# Altium PCB PCB-SM-multi.PcbDoc (part 1 of 2)
Units mil, origin at the board's own origin, x right, y up, seen from the top; angles counter-clockwise.
Board outline 4897 x 3097 mil, 5 copper layers (L1, L1-2, L2, L3, L4); 330 components, 255 nets, 1010 pads, 216 vias.
Unrouted connection lines stored in the file: 207.
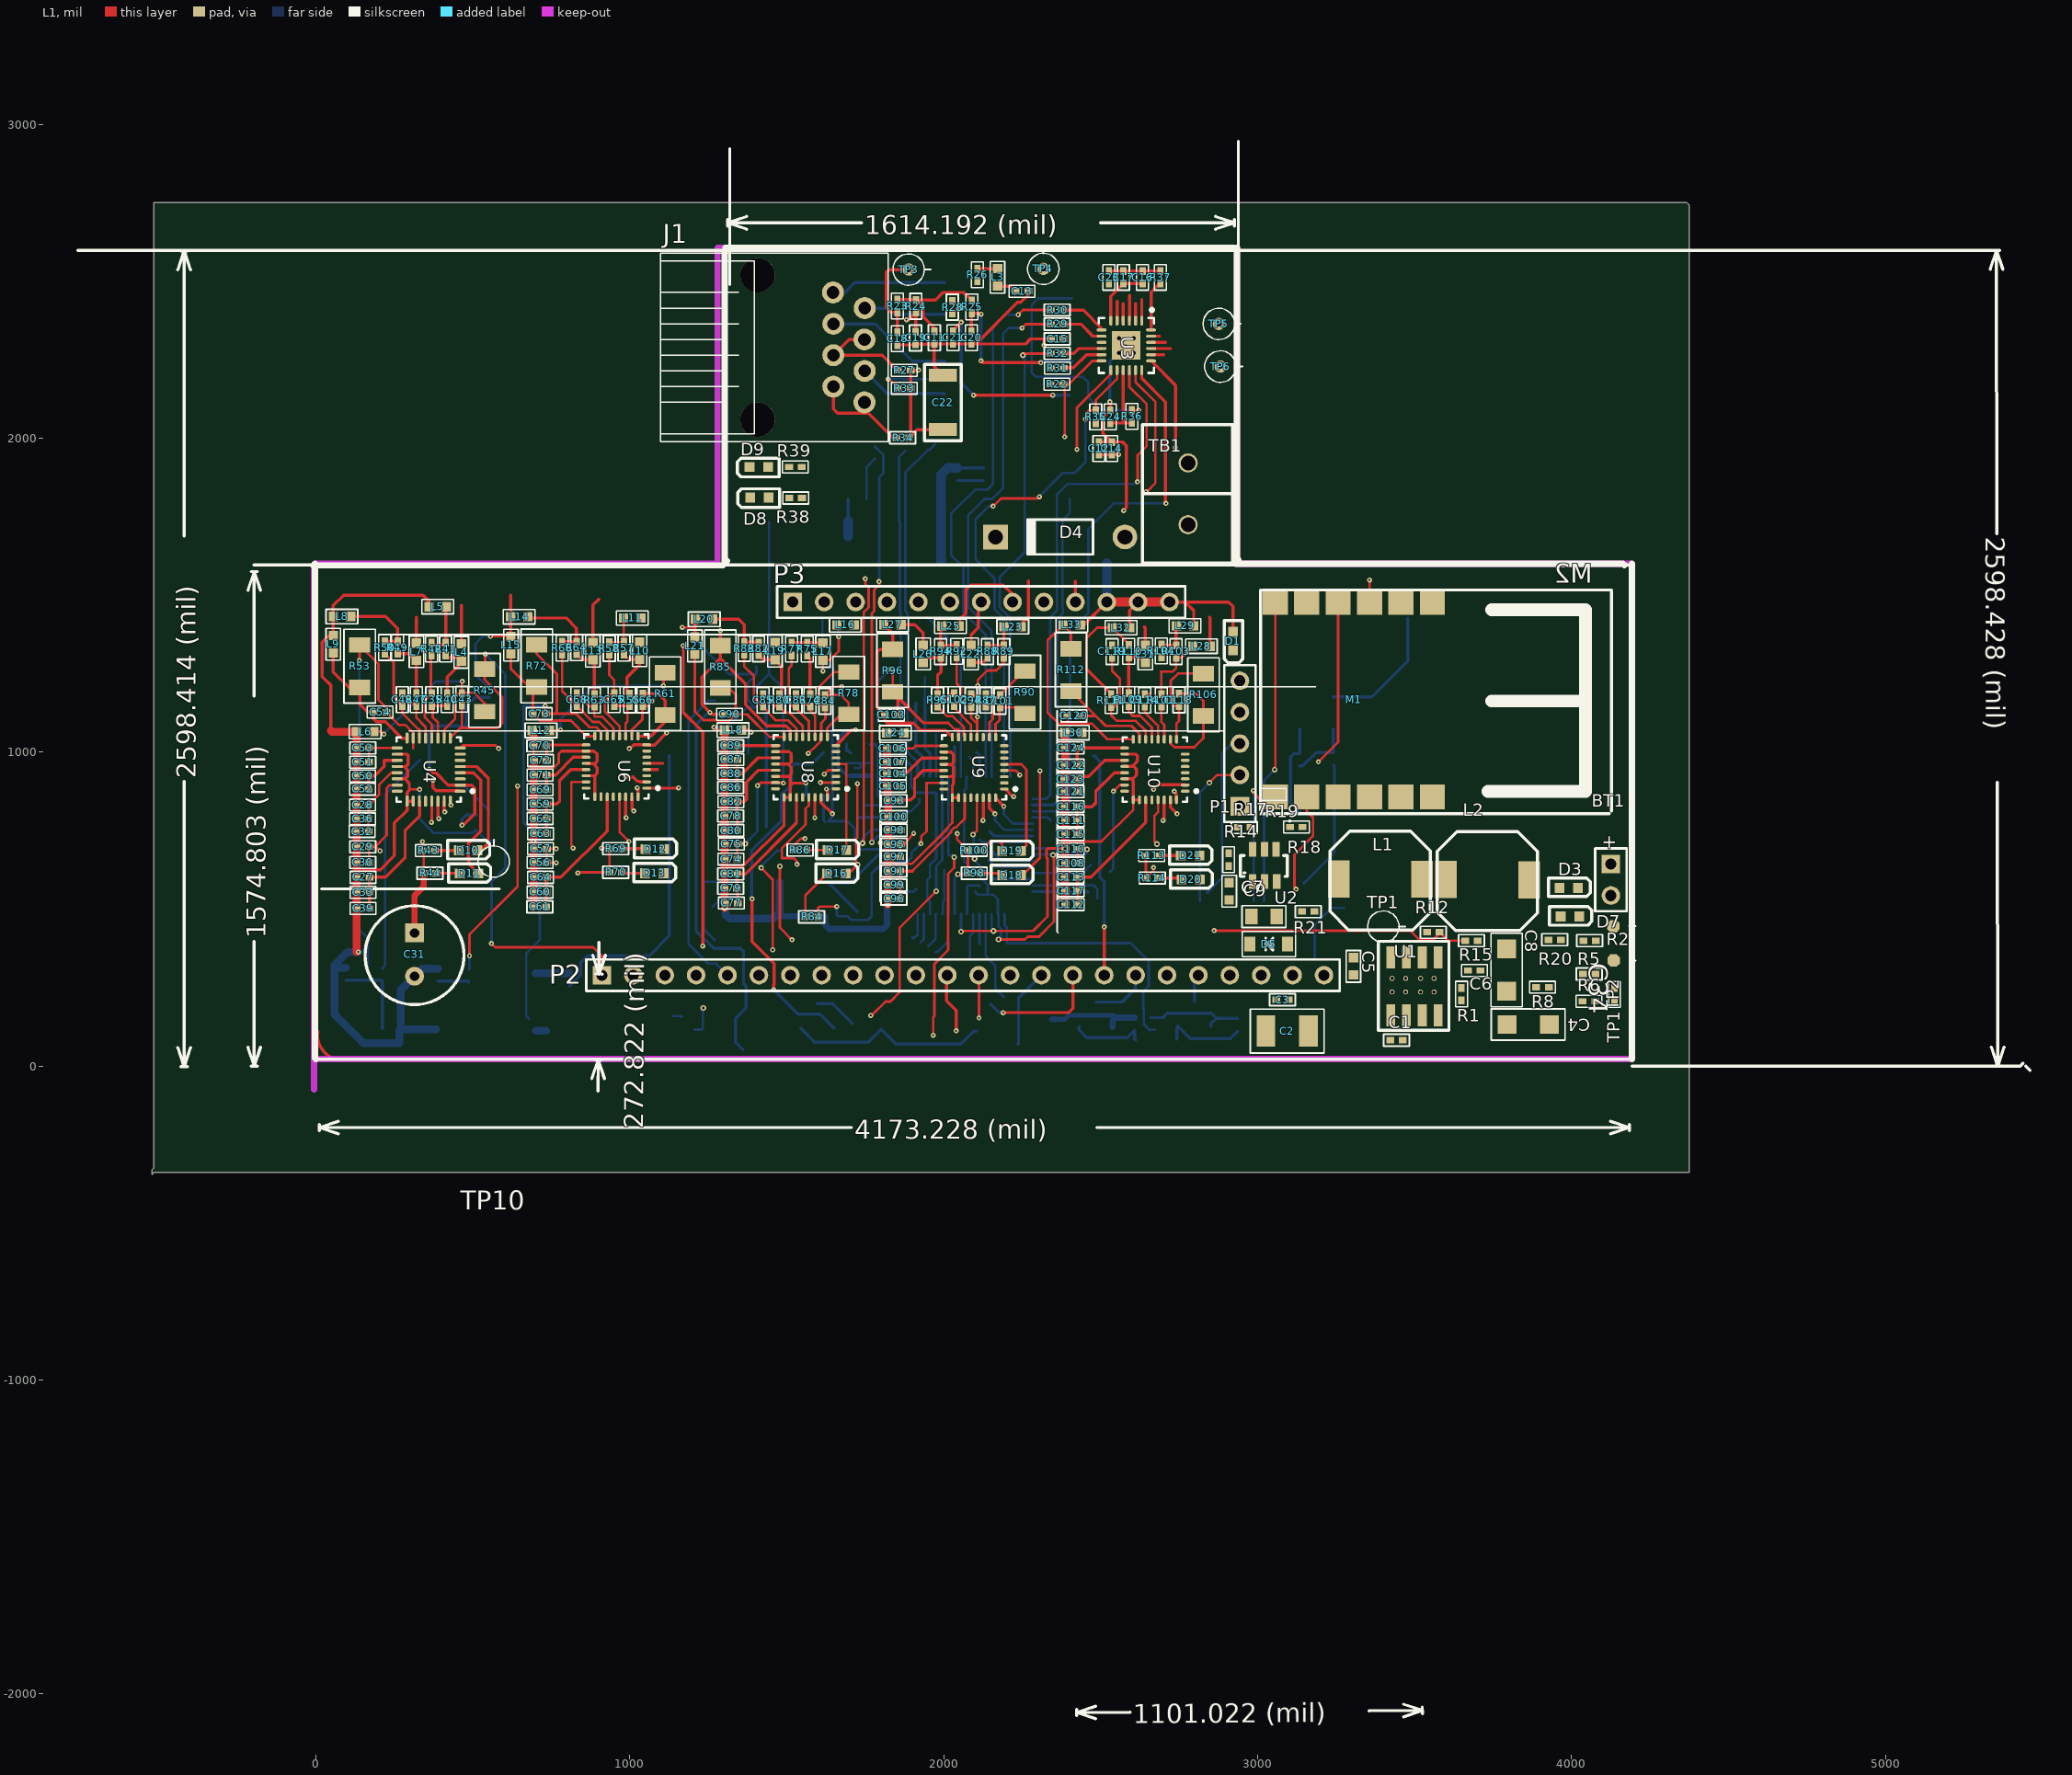
[diagram p0: L1 view]
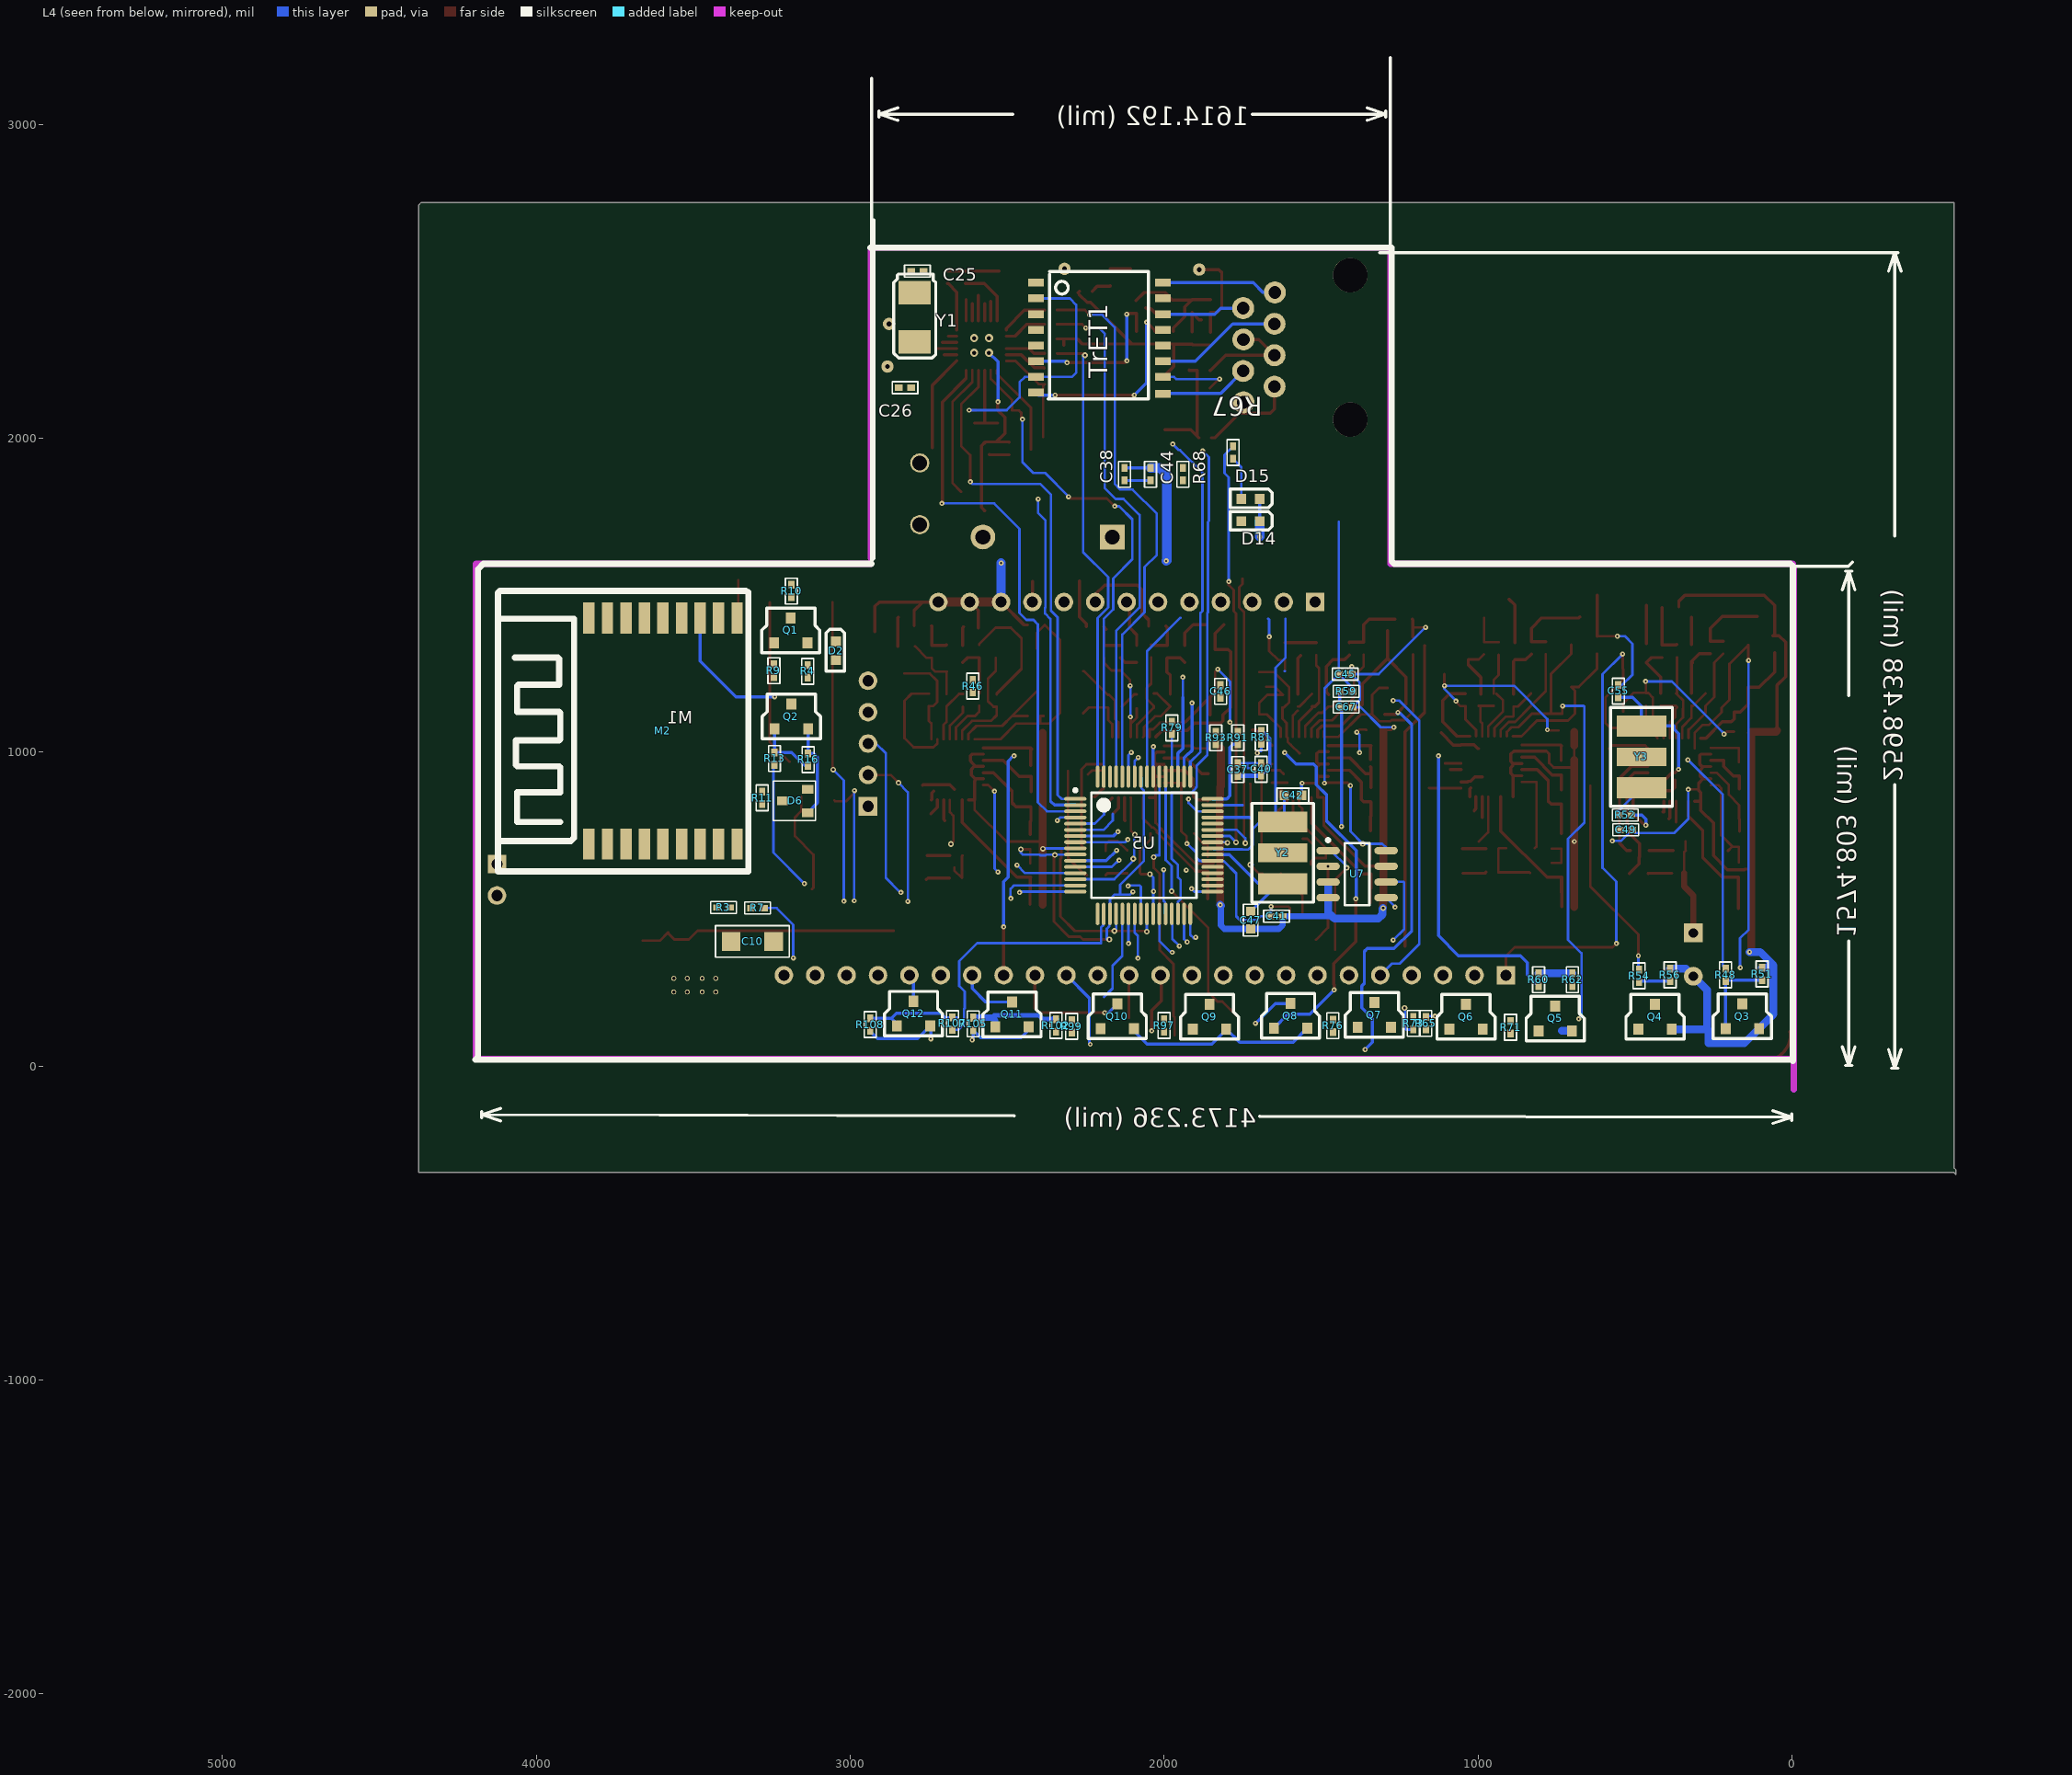
[diagram p1: L4 view, seen from below]
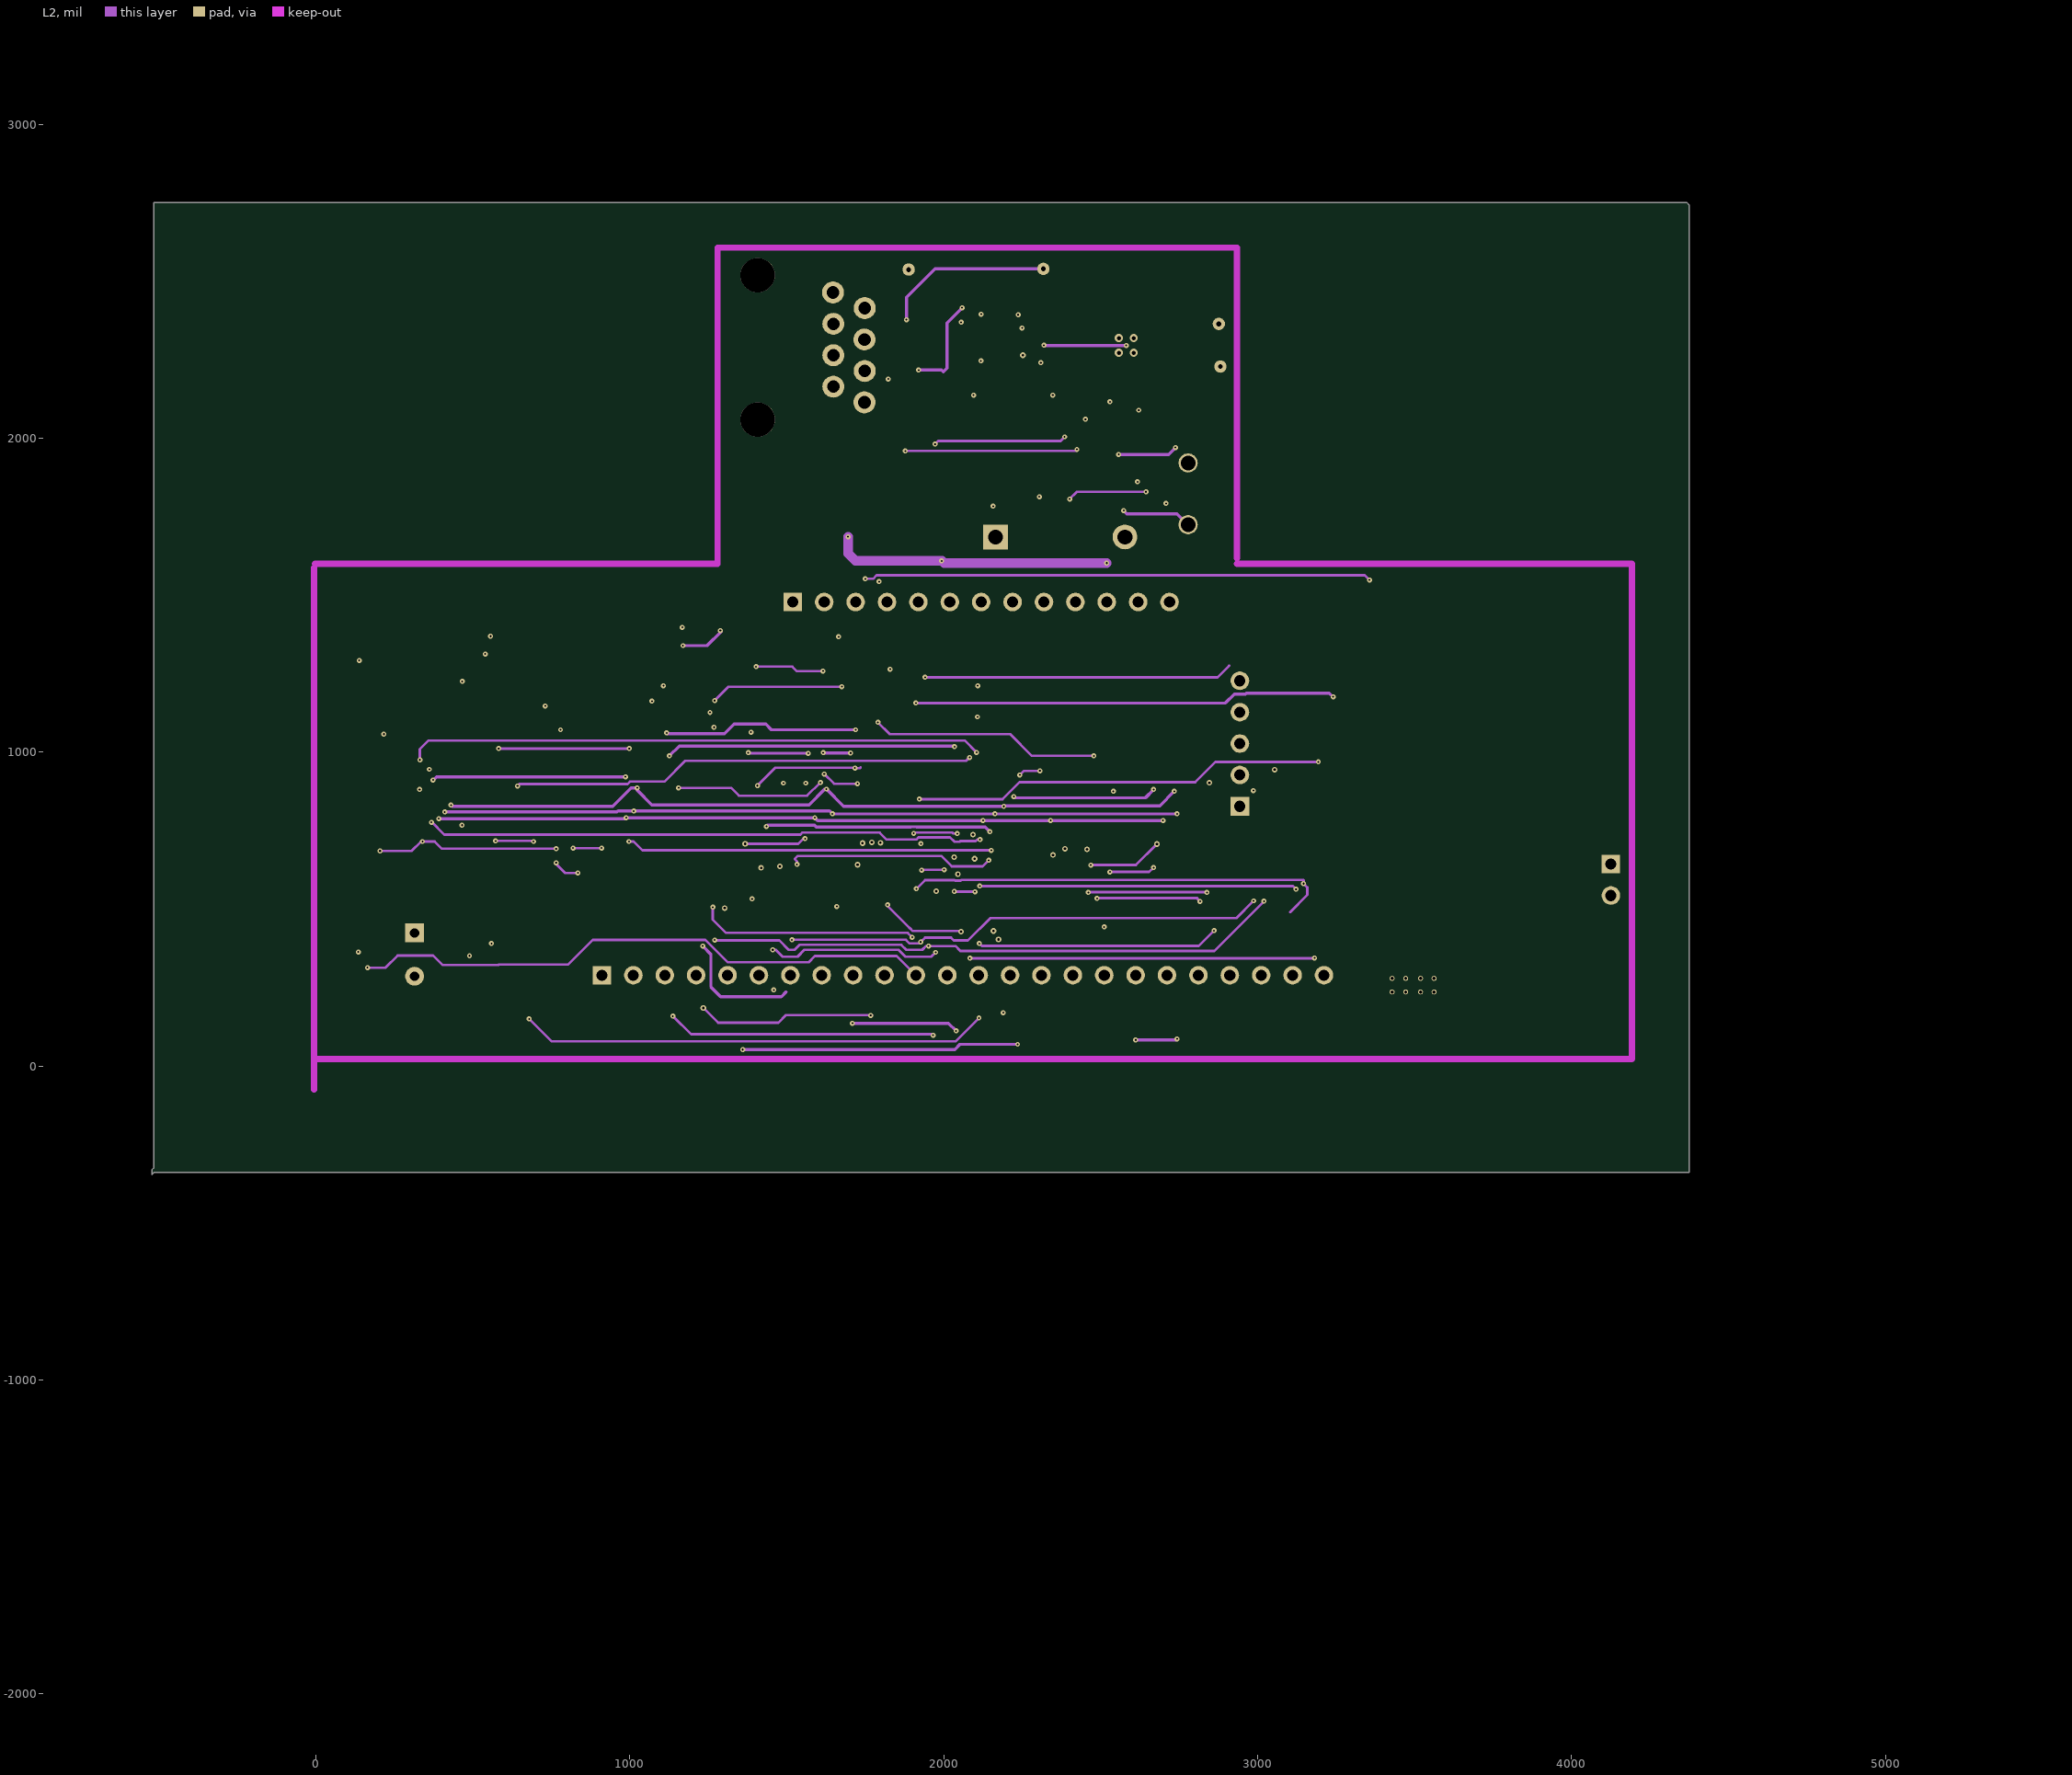
[diagram p2: L2]

## Layer stack, top to bottom
L1: signal copper 1.4
Dielectric: core 12.6, FR-4, Dk 4.8
L1-2: signal copper 1.4
Dielectric: prepreg 12.6, FR-4, Dk 4.8
L2: signal copper 1.4
Dielectric: core 12.6, FR-4, Dk 4.8
L3: signal copper 1.4
Dielectric: prepreg 12.6, FR-4, Dk 4.8
L4: signal copper 1.4

## Board outline
-523,-346 -516,-339 4374,-339 4374,2743 4366,2751 -516,2751 -516,-324 -523,-331

## Design rules (kind name [scope] priority, off if disabled: settings)
Clearance [All] p1: gap=7.8
PolygonConnect [All] p1: connectstyle=Relief reliefconductorwidth=10 reliefentries=4 polygonreliefangle="90 Angle" airgapwidth=10
RoomDefinition Sheet3-multi [InComponentClass('Sheet3-multi')] p1: confinementstyle=ConfineIn formatcopy=TRUE lockcomponents=FALSE outline -5510,-6728 -3510,-6728 -3510,-5728 -5510,-5728
RoutingTopology [All] p1: topology=Daisy_MidDriven
RoutingVias MicroVia [((StartLayer='L1')and (StopLayer='L2'))or  ((StartLayer='L3')and (StopLayer='L4')) or ((StartLayer='L1')and (StopLayer='L3')) or ((StartLayer='L1')and (StopLayer='L1-2')) or ((StartLayer='L4')and (StopLayer='L3')) or ((StartLayer='L1-2')and (StopLayer='L4')) or ((StartLayer='L2')and (StopLayer='L4')) or ((StartLayer='L1-2')and (StopLayer='L2'))] p1: holewidth=6 width=16 viastyle="Through Hole" minholewidth=6 minwidth=16 maxholewidth=6 maxwidth=16
RoutingVias ThruVia [((StartLayer='L1')and (StopLayer='L4'))] p2: holewidth=6 width=6 viastyle="Through Hole" minholewidth=6 minwidth=16 maxholewidth=6 maxwidth=16
RoutingVias BuriedVia [((StartLayer='L2')and (StopLayer='L3'))  or ((StartLayer='L1-2')and (StopLayer='L3'))] p3: holewidth=7.87 width=17.72 viastyle="Through Hole" minholewidth=7.87 minwidth=17.72 maxholewidth=7.87 maxwidth=17.72
SMDNeckDown [All] p1: percent=40.000
SolderMaskExpansion [All] p1: expansion=4
Width [All] p1: maxlimit=50 minlimit=3.94 preferedwidth=10
27 further rules are at their usual default settings.

## Classes and differential pairs
component class Sheet3-multi: C7 C10 C11 C12 C17 C18 C21 C22 C23 C24 C25 C26 C38 C40 C44 C47 C51 C54 C59 C66 C67 C71 C83 C95 C98 C103 C104 C108 C114 C115 C117 C119 C121 D5 D6 D15 D19 L3 L4 L8 L9 L17 L23 L25 L27 L28 L29 L31 M1 Q2 Q6 Q12 R4 R6 R7 R12 R20 R25 R46 R50 R54 R59 R60 R67 R68 R71 R73 R79 R88 R91 R92 R93 R97 R102 R103 R104 R105 R107 R108 R111 U7 U8
component class Sheet2-multi: C7 C9 C10 C11 C17 C21 C24 C27 C28 C29 C32 C35 C38 C40 C43 C48 C49 C50 C51 C52 C53 C54 C55 C56 C57 C59 C60 C61 C62 C63 C64 C69 C70 C71 C72 C73 C74 C75 C77 C78 C79 C80 C81 C82 C83 C84 C86 C87 C88 C89 C90 C91 C95 C98 C108 C114 C115 C116 C117 C118 C121 D6 D11 D12 D13 D15 D16 D18 D20 L2 L6 L8 L12 L13 L14 L15 L17 L18 L19 L20 L21 L23 L25 L28 L30 L31 L32 M2 P1 P2 P3 Q1 Q5 Q6 Q7 Q8 R19 R20 R23 R25 R27 R32 R33 R34 R35 R37 R40 R41 R42 R43 R44 R45 R47 R51 R52 R53 R54 R55 R56 R57 R58 R59 R61 R63 R64 R67 R69 R73 R74 R75 R77 R78 R79 R80 R82 R84 R85 R88 R89 R97 R100 R104 R113 TP10 U4 U7 U8 Y1 Y2
component class Sheet1-multi: BT1 C1 C2 C3 C4 C6 C8 C10 C11 C12 C14 C15 C17 C18 C28 C33 C38 C47 C51 C90 C102 C103 C104 C106 C119 C121 D1 D3 D4 D5 D6 D7 D11 D15 D16 J1 L2 L4 L21 Q1 R2 R4 R5 R6 R7 R8 R9 R11 R12 R13 R15 R17 R18 R19 R20 R21 R23 R25 R26 R27 R28 R29 R31 R34 R46 R47 R51 R59 R63 R64 R66 R73 R77 R82 R84 R92 R96 R98 R106 TB1 TP2 TP3 TP4 TP5 TP6 TrET1 U1 U2 U4 Y1

## Components (designator, comment, footprint, x,y, rotation, side; value= is the part's Value field where it differs from the comment)
BT1 "9.0V" BAT-2 4125,593 r270 top
C1 "10nF/6.3V" 0402C-GENERIC 3422,82 r0 top
C2 "47uF/6.3V" 1210C-GENERIC 3026,111 r0 top
C3 ".1uF" 0402C-GENERIC 3059,211 r0 top
C4 "10uF/50V" 1206C-GENERIC 3794,132 r0 top
C5 ".1uF/50V" 0603C-GENERIC 3305,345 r270 top
C6 "2.2nF/6.3V" 0402C-GENERIC 3670,304 r0 top
C7 "1uF/6.3V" 0603C-GENERIC 2909,584 r270 top
C8 "22uF" 1206C-GENERIC 3793,238 r90 top
C9 "100nF/6.3V" 0805C-GENERIC 2990,476 r0 top
C10 "22uF/6.3V" 1206C-GENERIC 3244,397 r0 bottom
C11 "100nF/35V" 0402C-GENERIC 1970,2340 r270 top
C12 "10uF/6.3V" 0402C-TBD 2494,1947 r90 top
C13 "100nF/35V" 0402C-GENERIC 2229,2468 r0 top
C14 "100nF/35V" 0402C-GENERIC 2535,1947 r90 top
C15 "10uF/6.3V" 0402C-TBD 2381,2316 r180 top
C16 "1uF/16V" 0402C-GENERIC 2633,2492 r90 top
C17 "470pF" 0402C-GENERIC 2572,2492 r90 top
C18 "10pF/50V" 0402C-GENERIC 1852,2337 r270 top
C19 "10pF/50V" 0402C-GENERIC 1910,2339 r270 top
C20 "10pF/50V" 0402C-GENERIC 2088,2340 r270 top
C21 "10pF/50V" 0402C-GENERIC 2029,2340 r270 top
C22 "1000pF/3kV" 1808 1997,2027 r90 top
C23 "22nF/16V" 0402C-GENERIC 2526,2492 r90 top
C24 "100nF/35V" 0402C-GENERIC 2530,2048 r90 top
C25 "18pF/6.3V" 0402C-TBD 2806,2532 r180 bottom
C26 "18pF/6.3V" 0402C-TBD 2805,2161 r0 bottom
C27 "100nF/10V" 0402C-GENERIC 130,601 r0 top
C28 "1uF/6.3V" 0402C-GENERIC 168,831 r180 top
C29 "150pF/10V" 0402C-GENERIC 169,698 r180 top
C30 "100nF" 0402C-GENERIC 169,648 r180 top
C31 "Comment" 470uF/6.3v 314,423.8 r270 top
C32 "150pF/10V" 0402C-GENERIC 167,747 r180 top
C33 "150pF/10V" 0402C-GENERIC 170,553 r180 top
C34 "100n" 0402C-TBD 4136,248 r270 top
C35 "10n/16V" 0402C-GENERIC 369,1187 r270 top
C36 "100nF/10V" 0402C-GENERIC 128,787 r0 top
C37 "100n" 0402C-TBD 1765,964 r270 bottom
C38 "100nF/6.3V" 0402C-TBD 2126,1865 r90 bottom
C39 "4.7uF/16V" 0402C-GENERIC 170,502 r180 top
C40 "100n" 0402C-TBD 1691,965 r270 bottom
C41 "100n" 0402C-TBD 1662,477 r180 bottom
C42 "27pF/6.3V" 0603C-TBD 1617,862 r180 bottom
C43 "10n/16V" 0402C-GENERIC 465,1188 r270 top
C44 "100n" 0402C-TBD 2043,1865 r90 bottom
C45 "100n" 0402C-TBD 1443,1248 r180 bottom
C46 "100nF/6.3V" 0402C-TBD 1820,1213 r270 bottom
C47 "27pF/6.3V" 0603C-TBD 1724,492 r270 bottom
C48 "10n/16V" 0402C-GENERIC 275,1147 r90 top
C49 "10pF" 0402C-TBD 549,752 r180 bottom
C50 "150pF" 0402C-GENERIC 168,924 r180 top
C51 "150pF" 0402C-GENERIC 169,968 r180 top
C52 "100nF" 0402C-GENERIC 168,882 r180 top
C53 "100nF" 0402C-GENERIC 169,1013 r180 top
C54 "10n/16V" 0402C-GENERIC 184,1127 r0 top
C55 "10pF" 0402C-TBD 553,1174 r90 bottom
C56 "150pF/10V" 0402C-GENERIC 734,648 r180 top
C57 "100nF" 0402C-GENERIC 695,692 r0 top
C59 "1uF/6.3V" 0402C-GENERIC 734,834 r180 top
C60 "100nF" 0402C-GENERIC 734,554 r180 top
C61 "150pF/10V" 0402C-GENERIC 733,507 r180 top
C62 "150pF/10V" 0402C-GENERIC 734,788 r180 top
C63 "100nF" 0402C-GENERIC 735,740 r180 top
C64 "1uF/6.3V" 0402C-GENERIC 735,601 r180 top
C65 "10n/16V" 0402C-GENERIC 950,1187 r270 top
C66 "10n/16V" 0402C-GENERIC 1041,1146 r90 top
C67 ".1uF" 0402R-GENERIC 1400,1143 r0 bottom
C68 "10n/16V" 0402C-GENERIC 831,1147 r90 top
C69 "150pF" 0402C-GENERIC 734,880 r180 top
C70 "150pF" 0402C-GENERIC 733,1020 r180 top
C71 "100nF" 0402C-GENERIC 734,927 r180 top
C72 "100nF" 0402C-GENERIC 695,973 r0 top
C73 "10n/16V" 0402C-GENERIC 691,1122 r0 top
C74 "150pF/10V" 0402C-GENERIC 1342,659 r180 top
C75 "100nF" 0402C-GENERIC 1343,707 r180 top
C77 "100nF" 0402C-GENERIC 1343,519 r180 top
C78 "1uF/6.3V" 0402C-GENERIC 1341,796 r180 top
C79 "150pF/10V" 0402C-GENERIC 1341,566 r180 top
C80 "150pF/10V" 0402C-GENERIC 1342,750 r180 top
C81 "1uF/6.3V" 0402C-GENERIC 1341,612 r180 top
C82 "100nF" 0402C-GENERIC 1342,842 r180 top
C83 "10n/16V" 0402C-GENERIC 1529,1145 r90 top
C84 "10n/16V" 0402C-GENERIC 1621.19,1142 r90 top
C85 "10n/16V" 0402C-GENERIC 1424,1145 r90 top
C86 "150pF" 0402C-GENERIC 1341,887 r180 top
C87 "150pF" 0402C-GENERIC 1342,976 r180 top
C88 "100nF" 0402C-GENERIC 1341,931 r180 top
C89 "100nF" 0402C-GENERIC 1341,1020 r180 top
C90 "10n/16V" 0402C-GENERIC 1337,1120 r180 top
C91 "100nF" 0402C-GENERIC 1861,621 r180 top
C93 "1uF/6.3V" 0402C-GENERIC 1861,845 r180 top
C94 "10n/16V" 0402C-GENERIC 2087,1144 r90 top
C95 "100nF" 0402C-GENERIC 1862,706 r180 top
C96 "150pF/10V" 0402C-GENERIC 1861,532 r180 top
C97 "150pF/10V" 0402C-GENERIC 1861,666 r180 top
C98 "150pF/10V" 0402C-GENERIC 1822,751 r0 top
C99 "1uF/6.3V" 0402C-GENERIC 1861,576 r180 top
C100 "100nF" 0402C-GENERIC 1862,794 r180 top
C101 "10n/16V" 0402C-GENERIC 2179,1182 r270 top
C102 "10n/16V" 0402C-GENERIC 2033,1187 r270 top
C103 "10n/16V" 0402C-GENERIC 1813,1118 r0 top
C104 "150pF" 0402C-GENERIC 1859,931 r180 top
C105 "100nF" 0402C-GENERIC 1859,891 r180 top
C106 "150pF" 0402C-GENERIC 1858,1012 r180 top
C107 "100nF" 0402C-GENERIC 1859,968 r180 top
C108 "150pF/10V" 0402C-GENERIC 2426,646 r180 top
C110 "100nF" 0402C-GENERIC 2426,691 r180 top
C111 "1uF/6.3V" 0402C-GENERIC 2426,781 r180 top
C112 "100nF" 0402C-GENERIC 2426,514 r180 top
C113 "150pF/10V" 0402C-GENERIC 2425,601 r180 top
C114 "10n/16V" 0402C-GENERIC 2640,1145 r90 top
C115 "150pF/10V" 0402C-GENERIC 2426,737 r180 top
C116 "100nF" 0402C-GENERIC 2425,826 r180 top
C117 "1uF/6.3V" 0402C-GENERIC 2426,558 r180 top
C118 "10n/16V" 0402C-GENERIC 2749,1186 r270 top
C119 "10n/16V" 0402C-GENERIC 2536,1300 r90 top
C120 "10n/16V" 0402C-GENERIC 2394,1115 r0 top
C121 "150pF" 0402C-GENERIC 2425,874 r180 top
C122 "150pF" 0402C-GENERIC 2425,958 r180 top
C123 "100nF" 0402C-GENERIC 2424,914 r180 top
C124 "100nF" 0402C-GENERIC 2425.06,1013.06 r180 top
D1 "PDS 560" LED-SM 2921,1383.06 r270 top
D2 "2V/20mA" LED-SM 3045,1292.94 r90 bottom
D3 "2V/20mA" LED-SM 3961,567 r0 top
D4 "1N5400/3A" DO-41 2371,1685 r180 top
D5 "1N4148" SOD-123 2975,388 r0 top
D6 "9.1V" SOT23-DIODE 3135,807 r0 bottom
D7 "2V/20mA" LED-SM 3965,476 r0 top
D8 "2V/20mA" LED-SM 1442,1811 r180 top
D9 "2V/20mA" LED-SM 1440.06,1908 r180 top
D10 "LED2" LED-SM 455,687 r0 top
D11 "LED2" LED-SM 458,613 r0 top
D12 "LED2" LED-SM 1050,691 r0 top (schematic designator D13)
D13 "LED2" LED-SM 1048,614 r0 top
D14 "LED2" LED-SM 1754.06,1735 r180 bottom
D15 "LED2" LED-SM 1754.06,1806 r180 bottom
D16 "LED2" LED-SM 1627.94,613 r0 top
D17 "LED2" LED-SM 1630,688 r0 top
D18 "LED2" LED-SM 2186,608 r0 top
D19 "LED2" LED-SM 2186,685 r0 top
D20 "LED2" LED-SM 2756.94,594 r0 top
D21 "LED2" LED-SM 2754.94,670 r0 top
J1 "RJ45-GENERIC" RJ45-8/8 1747,2114 r0 top
L1 "15uH/3.3A" "Murata 15uH inductor" 3258,594.98 r0 top
L2 "4.7uH/2.6A" "Murata 15uH inductor" 3599.25,593 r0 top
L3 "FB1/120 Ohms" 0603C-2U2 2171,2485 r90 top
L4 "FeILB" 0603C-TBD 463,1345 r270 top
L5 "Comment" 0603C-GENERIC 360,1463 r0 top
L6 "FeILB" 0603C-TBD 129,1065 r0 top
L7 "FeILB" 0603C-TBD 320,1347 r270 top
L8 "FeILB" 0603C-TBD 55,1432 r0 top
L9 "FeILB" 0603C-TBD 55,1371 r270 top
L10 "FeILB" 0603C-TBD 1031,1350 r270 top
L11 "FeILB" 0603C-TBD 1035,1427 r180 top
L12 "FeILB" 0603C-TBD 689,1069 r0 top
L13 "FeILB" 0603C-TBD 882,1349 r270 top
L14 "FeILB" 0603C-TBD 620,1431 r0 top
L15 "FeILB" 0603C-TBD 621,1368 r270 top
L16 "FeILB" 0603C-TBD 1714,1405 r180 top
L17 "FeILB" 0603C-TBD 1615,1293 r90 top
L18 "FeILB" 0603C-TBD 1301,1070 r0 top
L19 "FeILB" 0603C-TBD 1462,1349 r270 top
L20 "FeILB" 0603C-TBD 1209,1423 r0 top
L21 "FeILB" 0603C-TBD 1207,1366 r270 top
L22 "FeILB" 0603C-TBD 2087,1340 r270 top
L23 "FeILB" 0603C-TBD 2247,1399 r180 top
L24 "FeILB" 0603C-TBD 1818,1061 r0 top
L25 "FeILB" 0603C-TBD 2049,1401 r180 top
L26 "FeILB" 0603C-TBD 1934,1340 r270 top
L27 "FeILB" 0603C-TBD 1864,1406 r180 top
L28 "FeILB" 0603C-TBD 2848,1337 r180 top
L29 "FeILB" 0603C-TBD 2796,1402 r180 top
L30 "FeILB" 0603C-TBD 2385,1062 r0 top
L31 "FeILB" 0603C-TBD 2642,1340 r270 top
L32 "FeILB" 0603C-TBD 2592,1396 r180 top
L33 "FeILB" 0603C-TBD 2435,1405 r180 top
M1 "MRF24J40MA" "MRF24J40MA-zigBEE module" 3056,1477 r270 top
M2 "ESP 8266-Wroom-02" ESP8266WROOm-02 3324.4,706.53 r90 bottom (schematic designator M1)
P1 "Header 5" HDR1X5 2943,827 r90 top
P2 "Header 24" HDR1X24 911,289 r0 top
P3 "Header 13" HDR1X13 1519,1478 r0 top
Q1 "MMBT3906" MMBT2222 3242.15,1348.26 r180 bottom (schematic designator Q4)
Q2 "MMBT2222" MMBT2222 3240.3,1074 r180 bottom
Q3 "MMBT2222" MMBT2222 211,119 r180 bottom
Q4 "MMBT2222" MMBT2222 489.15,117.26 r180 bottom
Q5 "MMBT2222" MMBT2222 807,112 r180 bottom
Q6 "MMBT2222" MMBT2222 1091.15,117.26 r180 bottom
Q7 "MMBT2222" MMBT2222 1383.15,123.26 r180 bottom
Q8 "MMBT2222" MMBT2222 1650.15,120.26 r180 bottom
Q9 "MMBT2222" MMBT2222 1908.15,117.26 r180 bottom
Q10 "MMBT2222" MMBT2222 2202,119 r180 bottom
Q11 "MMBT2222" MMBT2222 2537.3,125 r180 bottom